# Altium PCB MCU.PcbDoc (part 1 of 3) (continued)
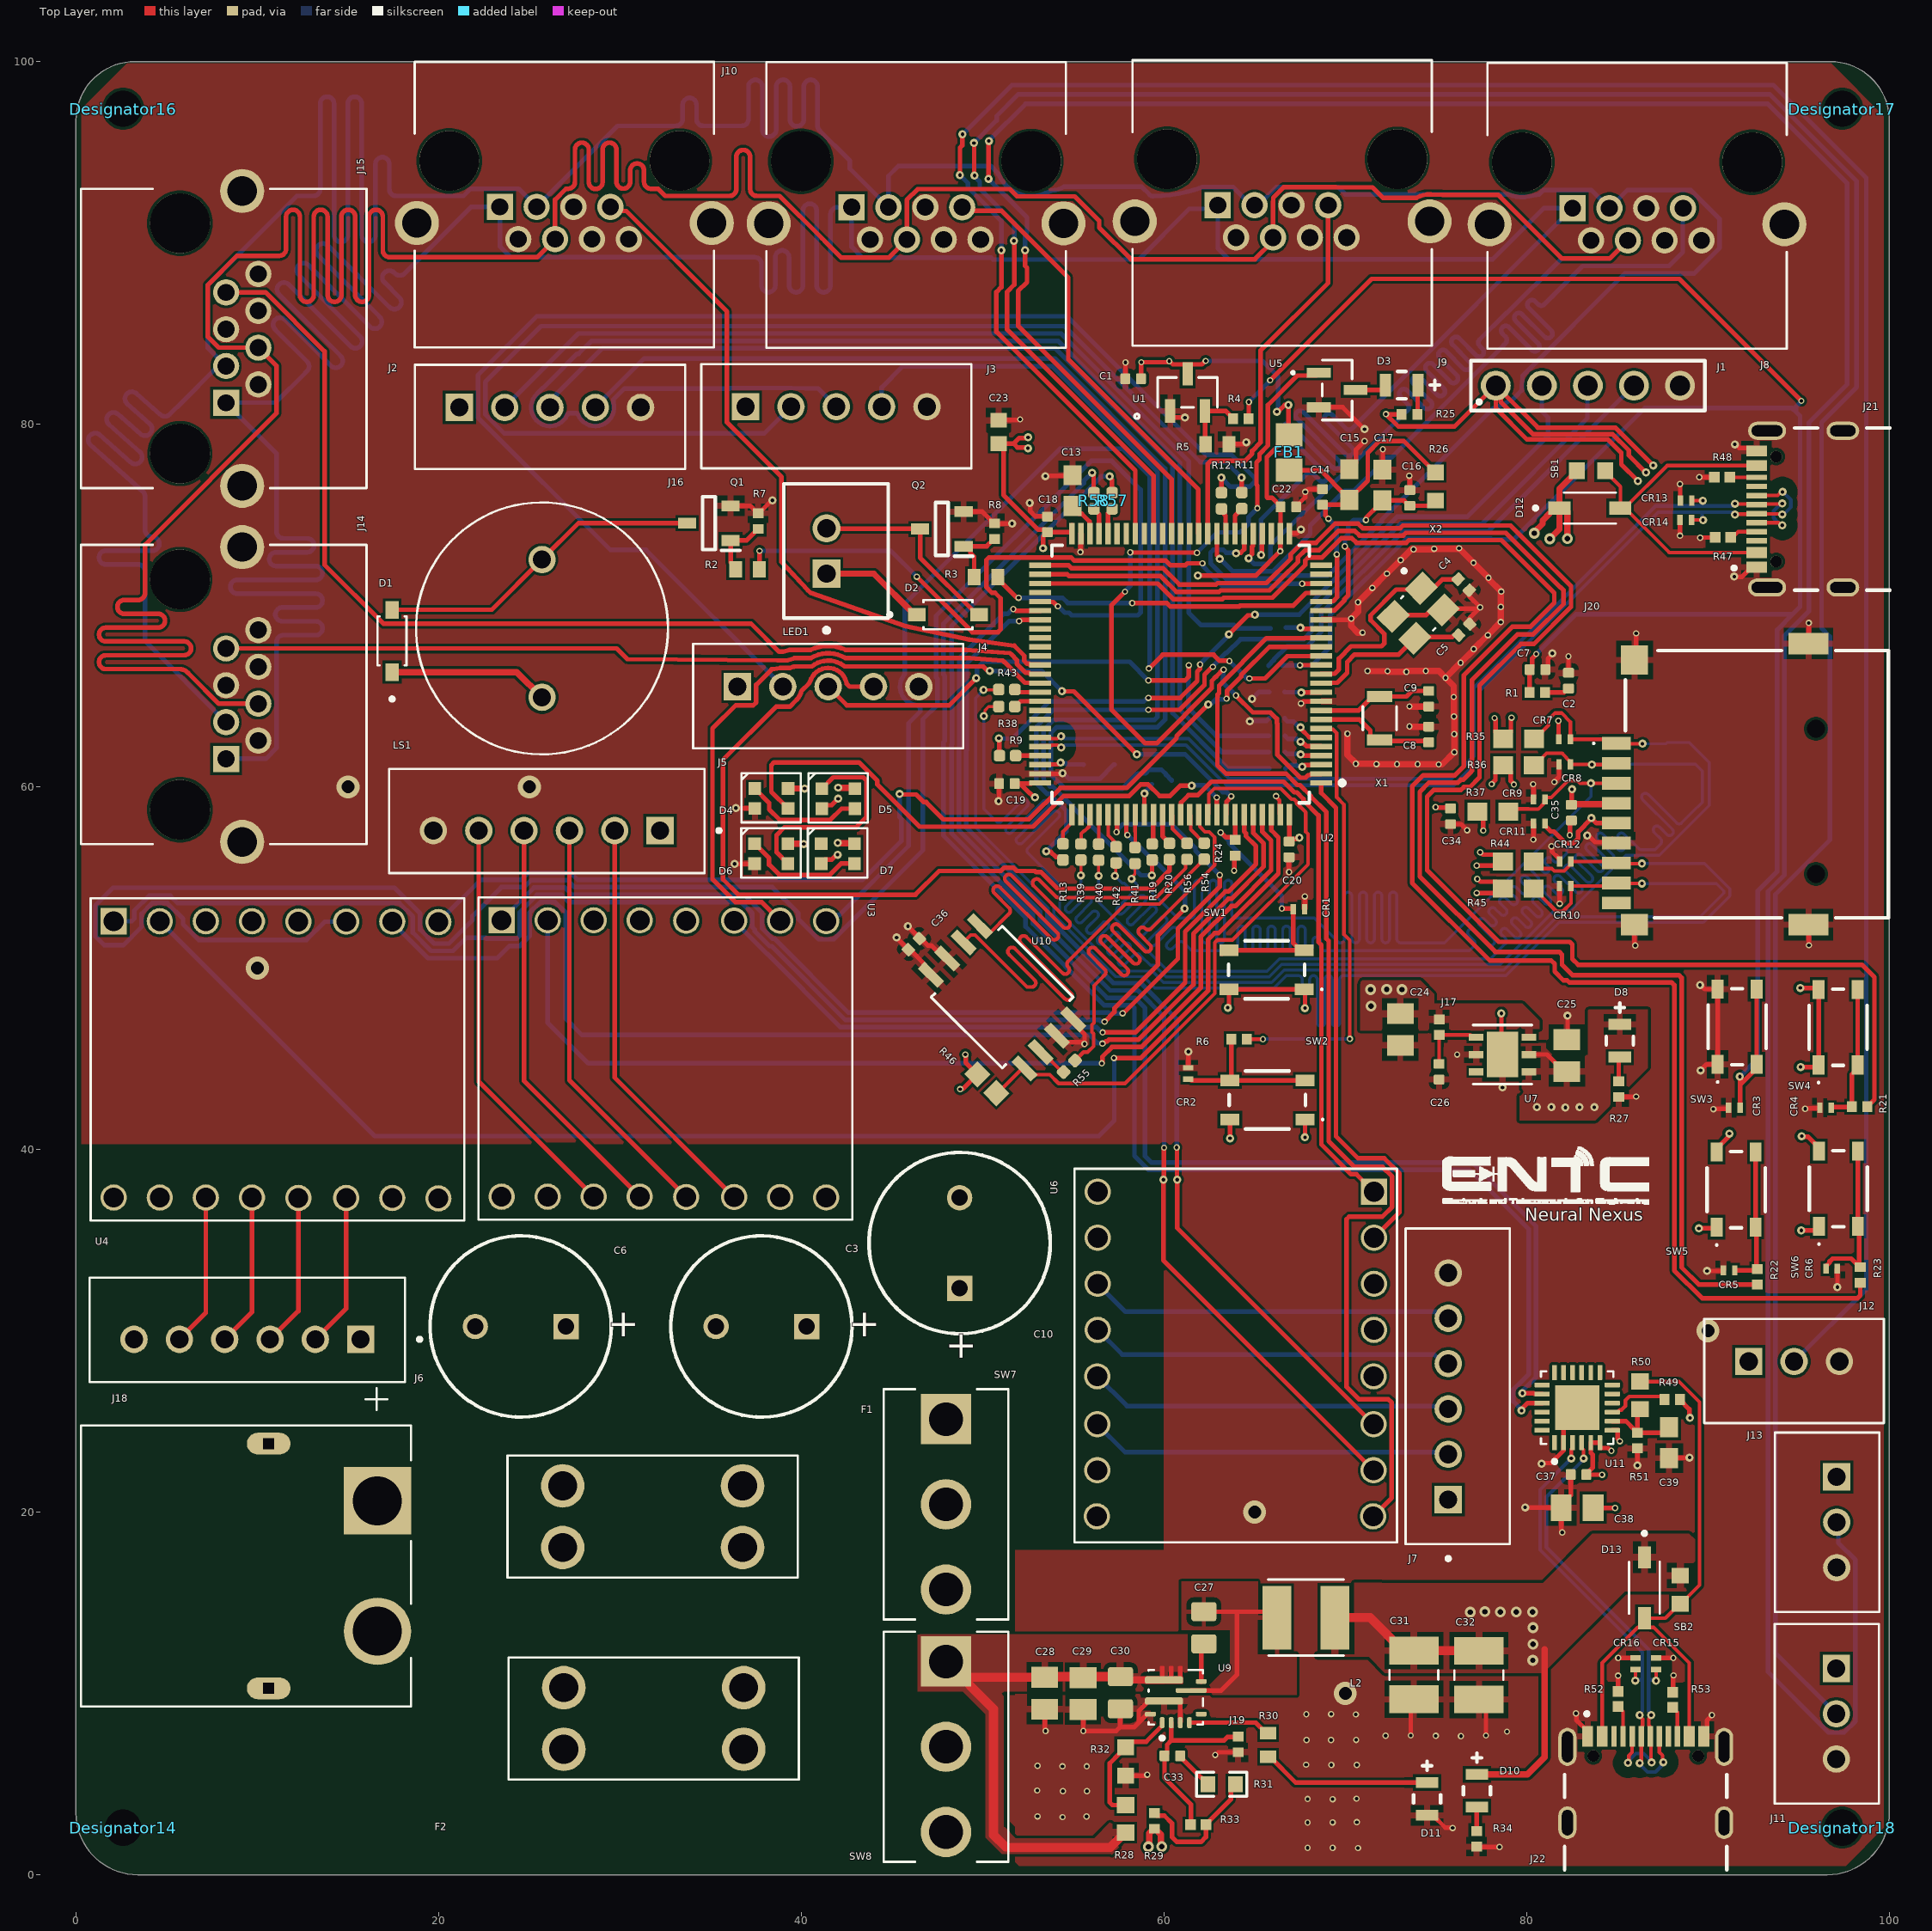
[diagram p0: Top Layer view]
## Components (designator, comment, footprint, x,y, rotation, side; value= is the part's Value field where it differs from the comment) (continued)
R18 "22R 0402" R0402 59.97,60.35 r0 bottom
R19 "22R 0402" R0402 59.35,56.41 r270 top
R20 "22R 0402" R0402 60.3,56.44 r270 top
R21 "330R" RESC1005X40N 98.362,42.37 r180 top
R22 "330R" RESC1005X40N 92.73,32.98 r90 top
R23 "330R" RESC1005X40N 98.4,33.08 r90 top
R24 "10k 0402" RESC1005X40N 63.93,56.64 r90 top
R25 "1.5 kOhm" RESC1005X40N 73.538,80.54 r180 top
R26 "0R" RESC1608X55N 74.98,76.57 r90 top
R27 "330R" RESC1005X40N 85.08,43.328 r90 top
R28 "169k" RESC1508X55N 57.88,3.08 r270 top
R29 "49.9 R" RESC1005X40N 59.47,2.972 r270 top
R30 "100kOhm" RESC1005X40 65.74,7.16 r270 top
R31 "20k" R0603 63.182,4.99 r0 top
R32 "36.1k" RESC1608X55N 57.89,6.25 r90 top
R33 "73.2k" RESC1005X35N 61.89,2.77 r0 top
R34 "1.5 kOhm" RESC1005X40N 77.24,1.98 r90 top
R35 "47 kOhm" RESC1608X55 79.56,62.65 r180 top
R36 "47 kOhm" RESC1608X55 79.55,61.2 r180 top
R37 "47 kOhm" RESC1608X55 78.14,58.64 r180 top
R38 "22R 0402" R0402 51.33,64.43 r0 top
R39 "22R 0402" R0402 55.42,56.41 r270 top
R40 "22R 0402" R0402 56.4,56.4 r270 top
R41 "22R 0402" R0402 58.4,56.21 r270 top
R42 "22R 0402" R0402 57.36,56.25 r270 top
R43 "22R 0402" R0402 51.33,65.37 r180 top
R44 "47 kOhm" RESC1608X55 79.54,55.89 r0 top
R45 "47 kOhm" RESC1608X55 79.54,54.4 r0 top
R46 "100kOhm" RESC1607X60N 50.23,43.63 r135 top
R47 "5.1k" RESC1005X35N 90.83,73.76 r180 top
R48 "5.1k" RESC1005X35N 90.78,77.08 r180 top
R49 "1k" RESC1005X40N 88.032,26.21 r0 top
R50 "22.1k" RESC1508X55N 86.25,26.44 r270 top
R51 "47.5k" RESC1005X40N 86.11,23.948 r90 top
R52 "5.1k" RESC1005X35N 85.05,9.69 r90 top
R53 "5.1k" RESC1005X35N 88.05,9.65 r90 top
R54 "22R 0402" R0402 62.22,56.454 r270 top
R55 "22R 0402" R0402 54.78,44.59 r225 top
R56 "22R 0402" R0402 61.27,56.444 r90 top
R57 "22R 0402" R0402 57.14,75.78 r90 top
R58 "22R 0402" R0402 56.14,75.775 r90 top
SB1 "0R" RESC1608X55N 83.55,77.43 r0 top
SB2 "0R" RESC1608X55N 88.47,15.72 r270 top
SW1 "TS-1089S-02526" SKRPANE010 65.66,49.91 r180 top
SW2 "TS-1089S-02526" SKRPANE010 65.7,42.73 r180 top
SW3 "TS-1089S-02526" SKRPANE010 91.61,46.77 r90 top
SW4 "TS-1089S-02526" SKRPANE010 97.18,46.74 r90 top
SW5 "TS-1089S-02526" SKRPANE010 91.555,37.785 r90 top
SW6 "TS-1089S-02526" SKRPANE010 97.195,37.835 r90 top
SW7 "SW" SW_100SP3T1B1M2QE 47.98,20.43 r270 top
SW8 "SW" SW_100SP3T1B1M2QE 47.98,7.06 r270 top
U1 "MAX809TEUR+T" 21-0051H_MXM 61.3,81.759 r0 top
U2 "STM32H743VIT6" FP-LQFP100-1L-MFG 60.92,66.22 r180 top locked
U3 "TMC2209" TMC2209 23.47,52.64 r270 top
U4 "TMC2209" TMC2209 2.08,52.59 r270 top
U5 "MMUN2211LT1G" SOT-23-3_1P4X3P040_ONS 69.55,81.89 r270 top
U6 "TMC2209" TMC2209 71.581,37.671 r180 top
U7 "ST1L05CPU33R" DFN6_3X3_STM 78.67,45.24 r0 top
U9 "TPS56637RPAR" CONV_TPS56637RPAR 60.65,9.79 r90 top
U10 "W25Q64JVSSIQ" SOIC-8_5P28X5P28_WIN 51.076,48.4 r135 top
U11 "CP2102N-A02-GQFN24R" QFN50P400X400X80-25N 82.79,25.765 r90 top
X1 "32.768KHZ" XTAL_ABS07-32.768KHZ-7-T_ABR 71.9,63.79 r270 top
X2 "25MHZ" XTAL_ABM8G-25.000MHZ-B4Y-T 74.019,69.577 r315 top

## Footprints (in the part's own frame and the unit in brackets; to place one, negate y for a bottom-side part, rotate by r counter-clockwise, add the part's x,y. Pads: shape width x height; smd on the part's side, far side on the other; paste and mask are expansions set on the pad)
"2 MM HOLE" [mm] "Mounting Hole Non plated 2mm"
  round 1 hole 2: ""(0,0)
21-0051H_MXM [mil]
  rect 22.36x50.56 smd paste+0 mask+0: 1(-37.4,-40.5) 2(37.4,-40.5) 3(0,40.5)
  silkscreen extent -115,-57 65,32, body extent -60,-52 60,52, height 44
61300511121 [mm]
  round 1.65 hole 1.1: 1(-5.08,0) 2(-2.54,0) 3(0,0) 4(2.54,0) 5(5.08,0)
  silkscreen extent -6.45,-1.37 6.45,1.37, body extent -6.35,-1.27 6.35,1.27, height 7.27
AMASS_XT60PW-M [mm]
  rect 3.716x3.716 / inner round 3.716 / far side rect 3.716x3.716 hole 2.7 mask+0.102: 1(-3.6,6)
  round 3.716 hole 2.7 mask+0.102: 2(3.6,6)
  oval 1.2x2.4 hole 0.6 square mask+0.102: SH1(-6.75,0) SH2(6.75,0)
  silkscreen extent -9.8,-10.35 7.75,7.85, body extent -7.75,-10.35 7.75,7.85, height 8.4
AMPHENOL_RJHSE5380 [mm]
  rect 1.448x1.448 / inner round 1.448 / far side rect 1.448x1.448 hole 0.94: 1(3.556,2.54)
  round 1.448 hole 0.94: 2(2.54,4.32) 3(1.524,2.54) 4(0.508,4.32) 5(-0.508,2.54) 6(-1.524,4.32) 7(-2.54,2.54) 8(-3.556,4.32)
  round 2.43 hole 1.62: SH1(-8.13,3.43) SH2(8.13,3.43)
  round 3.3 hole 3.3 unplated: ""(-6.35,0) ""(6.35,0)
  silkscreen extent -8.26,-5.46 8.25,10.29, body extent -8.42,-5.46 8.42,10.46, height 15.06
CAP_CC0603_YAG [mil]
  rect 32x35 smd paste+0 mask+0: 1(-25.5,0) 2(25.5,0)
  body extent -34,-17 34,17, height 35
CAPC1005X55N [mm]
  rrect25% 0.54x0.6 smd: 1(-0.432,0) 2(0.432,0)
  body extent -0.5,-0.25 0.5,0.25, height 0.55
CAPC1608X90 [mm]
  rect 1.1x1 smd: 1(-0.85,0) 2(0.85,0)
  body extent -0.8,-0.4 0.8,0.4, height 0.9
CAPC2012X95N [mm]
  rrect25% 1.05x1.38 smd: 1(-0.888,0) 2(0.888,0)
  body extent -1,-0.63 1,0.63, height 0.95
CAPC2012X145N [mm]
  rect 1.15x1.47 smd: 1(-0.88,0) 2(0.88,0)
  body extent -1,-0.63 1,0.63, height 1.45
CAPC3225X270N [mm]
  rect 1.53x2.72 smd: 1(-1.341,0) 2(1.341,0)
  silkscreen extent -0.26,-1.35 0.26,1.35, body extent -1.6,-1.25 1.6,1.25, height 2.7
CAPPR65-500-2000X1000X2200 [mm] "THD, 2-Leads, Dia 10mm, Pin Spacing 5mm"
  rect 1.4x1.4 hole 0.9: 1(-2.5,0)
  round 1.4 hole 0.9: 2(2.5,0)
  silkscreen extent -5,-5 5,5, body extent -5,-5 4.95,5, height 22
CONV_TPS56637RPAR [mm]
  rrect50% 0.6x0.25 smd: 1(-1.4,0.75) 2(-1.4,0.25) 3(-1.4,-0.25) 4(-1.4,-0.75)
  rrect50% 0.25x0.6 smd: 5(-0.93,-1.4) 7(0.87,-1.4) 10(-0.93,1.4)
  rrect50% 0.25x1.7 smd paste-2: 6(0.37,-0.85)
  rrect50% 0.4x2.1 smd paste-2 mask+0: 8(0.95,0.65)
  rrect50% 0.4x2.1 smd paste-2: 9(-0.21,0.65)
  Top Layer region: 273 vertices and 0 holes, not listed, extent 0.75,-0.4 1.711,1.7
  silkscreen extent -2.35,-1.5 1.5,1.5, body extent -1.5,-1.5 1.5,1.5, height 1
DFN6_3X3_STM [mm]
  rect 0.8x0.4 smd paste+0 mask+0: 1(-1.45,0.95) 2(-1.45,0) 3(-1.45,-0.95) 4(1.45,-0.95) 5(1.45,0) 6(1.45,0.95)
  rect 1.75x2.5 smd paste+0 mask+0: 7(0,0)
  silkscreen extent -1.63,-1.63 1.63,1.63, body extent -1.55,-1.5 1.55,1.5, height 0.8
FB_MI0805J102R-10 [mm]
  rect 1.285x1.47 smd: 1(-0.973,0) 2(0.973,0)
  body extent -1,-0.63 1,0.63, height 1.1
FP-B2B-XH-A_LF_SN-MFG [mm]
  rect 1.55x1.55 hole 1 paste-2539.97 mask+0: 1(-1.25,0.525)
  round 1.55 hole 1 paste-2539.97 mask+0: 2(1.25,0.525)
  silkscreen extent -4.5,-2.88 3.7,2.88, body extent -3.8,-2.98 3.8,2.98, height 0.25
FP-LQFP100-1L-MFG [mm]
  rect 1.2x0.3 smd paste+0 mask+0: 1(-7.75,6) 2(-7.75,5.5) 3(-7.75,5) 4(-7.75,4.5) 5(-7.75,4) 6(-7.75,3.5) 7(-7.75,3) 8(-7.75,2.5) 9(-7.75,2) 10(-7.75,1.5) 11(-7.75,1) 12(-7.75,0.5) 13(-7.75,0) 14(-7.75,-0.5) 15(-7.75,-1) 16(-7.75,-1.5) 17(-7.75,-2) 18(-7.75,-2.5) 19(-7.75,-3) 20(-7.75,-3.5) 21(-7.75,-4) 22(-7.75,-4.5) 23(-7.75,-5) 24(-7.75,-5.5) 25(-7.75,-6) 51(7.75,-6) 52(7.75,-5.5) 53(7.75,-5) 54(7.75,-4.5) 55(7.75,-4) 56(7.75,-3.5) 57(7.75,-3) 58(7.75,-2.5) 59(7.75,-2) 60(7.75,-1.5) 61(7.75,-1) 62(7.75,-0.5) 63(7.75,0) 64(7.75,0.5) 65(7.75,1) 66(7.75,1.5) 67(7.75,2) 68(7.75,2.5) 69(7.75,3) 70(7.75,3.5) 71(7.75,4) 72(7.75,4.5) 73(7.75,5) 74(7.75,5.5) 75(7.75,6)
  rect 0.3x1.2 smd paste+0 mask+0: 26(-6,-7.75) 27(-5.5,-7.75) 28(-5,-7.75) 29(-4.5,-7.75) 30(-4,-7.75) 31(-3.5,-7.75) 32(-3,-7.75) 33(-2.5,-7.75) 34(-2,-7.75) 35(-1.5,-7.75) 36(-1,-7.75) 37(-0.5,-7.75) 38(0,-7.75) 39(0.5,-7.75) 40(1,-7.75) 41(1.5,-7.75) 42(2,-7.75) 43(2.5,-7.75) 44(3,-7.75) 45(3.5,-7.75) 46(4,-7.75) 47(4.5,-7.75) 48(5,-7.75) 49(5.5,-7.75) 50(6,-7.75) 76(6,7.75) 77(5.5,7.75) 78(5,7.75) 79(4.5,7.75) 80(4,7.75) 81(3.5,7.75) 82(3,7.75) 83(2.5,7.75) 84(2,7.75) 85(1.5,7.75) 86(1,7.75) 87(0.5,7.75) 88(0,7.75) 89(-0.5,7.75) 90(-1,7.75) 91(-1.5,7.75) 92(-2,7.75) 93(-2.5,7.75) 94(-3,7.75) 95(-3.5,7.75) 96(-4,7.75) 97(-4.5,7.75) 98(-5,7.75) 99(-5.5,7.75) 100(-6,7.75)
  silkscreen extent -9.03,-7.1 7.1,7.1, body extent -8.45,-8.45 8.45,8.45, height 0.25
FP-SML-LX0805SRC-TR-MFG [mm]
  rect 0.6x1.25 smd paste+0 mask+0: 1(-0.9,0) 2(0.9,0)
  silkscreen extent -2.07,-0.75 0.22,0.75, body extent -1.3,-0.85 1.3,0.85, height 0.25
FUSE_3568 [mm]
  round 2.4 hole 1.6: 1(-4.96,1.7) 2(4.96,1.7) 3(-4.96,-1.7) 4(4.96,-1.7)
  silkscreen extent -8,-3.36 8,3.36, body extent -8.04,-3.43 7.96,3.3, height 7.36
GCT_USB4105-GF-A [mm]
  rect 0.6x1.15 smd mask+0.04: A1_B12(-3.2,4.755) B1_A12(3.2,4.755)
  rect 0.6x1.15 smd mask+0.05: A4_B9(-2.4,4.755) B4_A9(2.4,4.755)
  rect 0.3x1.15 smd mask+0.05: A5(-1.25,4.755) A6(-0.25,4.755) A7(0.25,4.755) A8(1.25,4.755) B5(1.75,4.755) B6(0.75,4.755) B7(-0.75,4.755) B8(-1.75,4.755)
  oval 1x2.1 hole 0.6 slot 1.7 at 90 deg: SH1(-4.32,4.18) SH2(4.32,4.18)
  oval 1x1.8 hole 0.6 slot 1.4 at 90 deg: SH3(-4.32,0) SH4(4.32,0)
  round 0.65 hole 0.65 unplated mask+0.03: ""(-2.89,3.68) ""(2.89,3.68)
  silkscreen extent -4.47,-2.6 4.47,6.1, body extent -4.47,-2.57 4.47,5.14, height 3.31
"IND-SMD_L4.0-W4.0 - duplicate" [mm]
  rect 1.6x3.5 smd: 1(-1.6,0) 2(1.6,0)
  silkscreen extent -2.08,-2.1 2.08,2.1, body extent -3.25,-3 3.25,3, height 4.87
JST_B3B-XH-A [mm]
  rect 1.508x1.508 / inner round 1.508 / far side rect 1.508x1.508 hole 1 mask+0.102: 1(2.5,-0.525)
  round 1.508 hole 1 mask+0.102: 2(0,-0.525) 3(-2.5,-0.525)
  silkscreen extent -4.95,-2.88 4.95,2.88, body extent -4.95,-2.88 4.95,2.88, height 7
JST_B5B-XH-A [mm]
  rect 1.508x1.508 / inner round 1.508 / far side rect 1.508x1.508 hole 1: 1(5,-0.525)
  round 1.508 hole 1: 2(2.5,-0.525) 3(0,-0.525) 4(-2.5,-0.525) 5(-5,-0.525)
  silkscreen extent -7.45,-2.88 7.45,2.88, body extent -7.45,-2.88 7.45,2.88, height 7
JST_B6B-XH-A [mm]
  rect 1.508x1.508 / inner round 1.508 / far side rect 1.508x1.508 hole 1: 1(6.25,-0.525)
  round 1.508 hole 1: 2(3.75,-0.525) 3(1.25,-0.525) 4(-1.25,-0.525) 5(-3.75,-0.525) 6(-6.25,-0.525)
  silkscreen extent -8.7,-2.88 9.6,2.88, body extent -8.7,-2.88 8.7,2.88, height 7
QFN50P400X400X80-25N [mm]
  rrect25% 0.84x0.26 smd mask+0.05: 1(-1.935,1.25) 2(-1.935,0.75) 3(-1.935,0.25) 4(-1.935,-0.25) 5(-1.935,-0.75) 6(-1.935,-1.25) 13(1.935,-1.25) 14(1.935,-0.75) 15(1.935,-0.25) 16(1.935,0.25) 17(1.935,0.75) 18(1.935,1.25)
  rrect25% 0.26x0.84 smd mask+0.05: 7(-1.25,-1.935) 8(-0.75,-1.935) 9(-0.25,-1.935) 10(0.25,-1.935) 11(0.75,-1.935) 12(1.25,-1.935) 19(1.25,1.935) 20(0.75,1.935) 21(0.25,1.935) 22(-0.25,1.935) 23(-0.75,1.935) 24(-1.25,1.935)
  rect 2.45x2.45 smd paste-0.455 mask+0.08: 25(0,0)
  silkscreen extent -3.07,-2 2,2
R0402 [mil]
  rrect50% 25x25 smd mask+2.95: 1(-17.5,0) 2(17.5,0)
  body extent -20,-10 20,10, height 16
R0603 [mm]
  rect 0.806x0.864 smd: 1(-0.753,0) 2(0.753,0)
  silkscreen extent -1.39,-0.66 1.39,0.66
RESC1005X35N [mm]
  rect 0.59x0.6 smd mask+0.07: 1(-0.42,0) 2(0.42,0)
  body extent -0.5,-0.25 0.5,0.25, height 0.4
RESC1005X40 [mm]
  rect 0.7x0.9 smd: 1(-0.65,0) 2(0.65,0)
  body extent -0.5,-0.25 0.5,0.25, height 0.4
RESC1005X40N [mm]
  rect 0.54x0.6 smd: 1(-0.432,0) 2(0.432,0)
  body extent -0.5,-0.25 0.5,0.25, height 0.4
RESC1508X55N [mm]
  rect 0.9x0.97 smd: 1(-0.76,0) 2(0.76,0)
  body extent -0.77,-0.4 0.77,0.4, height 0.55
RESC1607X60N [mm]
  rect 1.04x1.02 smd: 1(-0.735,0) 2(0.735,0)
  body extent -0.8,-0.4 0.8,0.4, height 0.55
RESC1608X55 [mm]
  rect 1.1x1 smd: 1(-0.85,0) 2(0.85,0)
  body extent -0.8,-0.4 0.8,0.4, height 0.55
RESC1608X55N [mm]
  rect 0.87x0.93 smd: 1(-0.78,0) 2(0.78,0)
  body extent -0.8,-0.4 0.8,0.4, height 0.55
SKRPANE010 [mm]
  rect 1.05x0.65 smd: 1(-2.075,1.075) 2(2.075,1.075) 3(-2.075,-1.075) 4(2.075,-1.075)
  silkscreen extent -3.1,-1.6 2.1,1.6
SOD3715X145N [mm]
  rect 1.21x0.73 smd: A(1.68,0) C(-1.68,0)
  silkscreen extent -3.1,-0.85 1.43,0.85, body extent -1.83,-0.77 1.83,0.77, height 0.8
SODFL3816X120N [mm]
  rect 0.97x0.73 smd paste+0 mask+0.102: A(1.72,0) C(-1.72,0)
  silkscreen extent -3.3,-0.8 1.35,0.8, body extent -1.9,-0.76 1.9,0.84, height 1.1
SOIC-8_5P28X5P28_WIN [mil]
  rect 60x21 smd paste+0 mask+0: 1(-143.5,75) 2(-143.5,25) 3(-143.5,-25) 4(-143.5,-75) 5(143.5,-75) 6(143.5,-25) 7(143.5,25) 8(143.5,75)
  silkscreen extent -109,-109 109,109, body extent -159,-104 159,104, height 85
SOT96P237X111-3N [mm]
  rect 1x0.6 smd: 1(-1.2,0.955) 2(-1.2,-0.955) 3(1.2,0)
  silkscreen extent -1.7,-1.46 0.35,1.51
SOT-23-3_1P4X3P040_ONS [mil]
  rect 22x52 smd paste+0 mask+0: 1(-37.5,-40) 2(37.5,-40) 3(0,40)
  silkscreen extent -65,-99 65,33, body extent -60,-52 60,52, height 44
SP0402_LTF [mil]
  rect 12x22 smd paste+0 mask-1: 1(-12.5,0) 2(12.5,0)
  body extent -21,-13 21,13, height 22
SW_100SP3T1B1M2QE [mm]
  rect 2.775x2.775 / inner round 2.775 / far side rect 2.775x2.775 hole 1.85 mask+0.102: 1(-4.7,0)
  round 2.775 hole 1.85 mask+0.102: 2(0,0) 3(4.7,0)
  silkscreen extent -6.35,-3.43 6.35,3.43, body extent -6.35,-3.43 6.35,3.43, height 26.26
TF115BCP9 [mm]
  rect 0.7x1.6 smd: 1(2.25,7.75) 2(1.15,7.75) 3(0.05,7.75) 4(-1.05,7.75) 5(-2.15,7.75) 6(-3.25,7.75) 7(-4.35,7.75) 8(-5.45,7.75)
  rect 0.7x1.6 smd mask+0.08: CD1(-6.55,7.75)
  rect 1.2x1.5 smd mask+0.05: G1(-7.75,6.75)
  rect 1.2x2.2 smd: G2(-7.75,-2.85) G3(7.75,-2.85)
  rect 1.6x1.5 smd: G4(6.85,6.75)
  round 0.5 hole 1 unplated: MH1(3.05,-3.25) MH2(-4.95,-3.25)
  silkscreen extent -7.37,-7.25 7.37,9.05
TMC2209 [mm]
  rect 1.45x1.45 / inner round 1.45 / far side rect 1.45x1.45 hole 1.1: 1(0,0)
  round 1.45 hole 1.1: 2(0,2.54) 3(0,5.08) 4(0,7.62) 5(0.021,10.181) 6(0.021,12.823) 7(0.021,15.363) 8(0.047,17.903) 9(15.24,0) 10(15.24,2.54) 11(15.24,5.08) 12(15.24,7.62) 13(15.261,10.181) 14(15.261,12.823) 15(15.261,15.363) 16(15.287,17.903)
  silkscreen extent -1.27,-1.27 16.51,19.34
WS2812C2020 [mm]
  rect 0.7x0.7 smd: 1(0.915,-0.55) 2(0.915,0.55) 3(-0.915,0.55) 4(-0.915,-0.55)
  silkscreen extent -1.63,-1.4 1.65,1.32, body extent -1.1,-1 1.1,1, height 0.84
XDCR_KPEG242-5V [mm]
  round 1.508 hole 1: N(3.8,0) P(-3.8,0)
  silkscreen extent -6.95,-6.95 6.95,6.95, body extent -7.03,-6.94 6.87,6.94, height 7.5
XTAL_ABM8G-25.000MHZ-B4Y-T [mm]
  rect 1.2x1.4 smd: 1(-0.85,1.1) 2(-0.85,-1.1) 3(0.85,-1.1) 4(0.85,1.1)
  silkscreen extent -2.3,-0.08 1.25,1.2, body extent -1.6,-1.24 1.6,1.24, height 0.99
XTAL_ABS07-32.768KHZ-7-T_ABR [mil]
  rect 24x55 smd paste+0 mask+0: 1(-47,0) 2(47,0)
  silkscreen extent -25,-37 25,37, body extent -65,-31 65,31, height 32

## Part data
C1 C2 C7 C11 C14 C16 C18 C19 C20 C21 C22 C26 C35 C36 C37: library part CL05B104KP5NNNC, "0.1 ÂµF Â±10% 10V Ceramic Capacitor X7R 0402 (1005 Metric)", Package="SMD-2 Samsung", Check_prices=https://www.snapeda.com/parts/CL05B104KP5NNNC/Samsung/view-part/?ref=eda, MF="Samsung Electro-Mechanics", MP=CL05B104KP5NNNC, SnapEDA_Link=https://www.snapeda.com/parts/CL05B104KP5NNNC/Samsung/view-part/?ref=snap
C3 C6 C10: library part CMP-001-00032-8, "Aluminum Electrolytic Capacitor, 470 uF, +/- 20%, 50 V, -40 to 85 degC, 2-Pin THD, RoHS, Bulk", Capacitor Type=Electrolytic, Case/Package=Radial, Manufacturer=Panasonic, Max Operating Temperature=85°C, Min Operating Temperature=-40°C, Package Description="2-Pin Radial Lead, Dia 10 mm, Height 22 mm", Package Quantity=200, Package Reference=CAPPR65-500-2000X1000X2200, Ripple Current=650mA, Tolerance=20%, Voltage Rating=50V, Datasheet URL=http://industrial.panasonic.com/cdbs/www-data/pdf/RDF0000/ABA0000C1047.pdf, Datasheet Version=Mar-16, Diameter=10mm, Lead Pitch=5mm, Manufacturer URL=http://www.panasonic.com/, Mounting Technology=TH, Packaging=Bulk, Pins=2, Ripple Current (AC)=650mA, RoHS Compliant=True
C4 C5: library part CC0402JRNPO8BN100, "10 pF Â±5% 25V Ceramic Capacitor C0G, NP0 0402 (1005 Metric)", Package="0402 Yageo", Check_prices=https://www.snapeda.com/parts/CC0402JRNPO8BN100/Yageo/view-part/?ref=eda, MF=Yageo, MP=CC0402JRNPO8BN100, SnapEDA_Link=https://www.snapeda.com/parts/CC0402JRNPO8BN100/Yageo/view-part/?ref=snap
C8 C9: library part GRM1555C1H120FA01D, "0402 12 pF 50 V Â±1% Tolerance C0G SMT Multilayer Ceramic Capacitor", Package=None, Availability=Unavailable, MP=GRM1555C1H120FA01D, Price=None
C12 C13: library part CC0603KRX5R8BB225, "2.2 ÂµF Â±10% 25V Ceramic Capacitor X5R 0603 (1608 Metric)", Package="0603 Yageo", Check_prices=https://www.snapeda.com/parts/CC0603KRX5R8BB225/Yageo/view-part/?ref=eda, MF=Yageo, MP=CC0603KRX5R8BB225, SnapEDA_Link=https://www.snapeda.com/parts/CC0603KRX5R8BB225/Yageo/view-part/?ref=snap
C15 C17 C39: library part CC0603ZRY5V7BB105, "1 ÂµF -20%, +80% 16V Ceramic Capacitor Y5V (F) 0603 (1608 Metric)", Package="0603 Yageo", Check_prices=https://www.snapeda.com/parts/CC0603ZRY5V7BB105/Yageo/view-part/?ref=eda, MF=Yageo, MP=CC0603ZRY5V7BB105, SnapEDA_Link=https://www.snapeda.com/parts/CC0603ZRY5V7BB105/Yageo/view-part/?ref=snap
C23: library part CC0603MRX7R5BB475, "No Description Available", Manufacturer_Name=Yageo, Copyright="Copyright (C) 2026 Ultra Librarian. All rights reserved.", Manufacturer_Part_Number=CC0603MRX7R5BB475
C24 C25 C38: library part C2012X7R1A475K125AC, "C Series 0805 4.7 uF 10 V Â±10% Tolerance X7R SMT Multilayer Ceramic Capacitor", Package="2012 TDK", Availability="In Stock", Check_prices=https://www.snapeda.com/parts/C2012X7R1A475K125AC/TDK-Lambda+Americas+Inc/view-part/?ref=eda, MF=TDK, MP=C2012X7R1A475K125AC, Price=None, Purchase-URL=https://pricing.snapeda.com/search/part/C2012X7R1A475K125AC/?ref=eda, SnapEDA_Link=https://www.snapeda.com/parts/C2012X7R1A475K125AC/TDK-Lambda+Americas+Inc/view-part/?ref=snap
C27 C30: library part CL21B104KBCNNNC, "0.1 ÂµF Â±10% 50V Ceramic Capacitor X7R 0805 (2012 Metric)", Package="SMD-2 Samsung", Check_prices=https://www.snapeda.com/parts/CL21B104KBCNNNC/Samsung/view-part/?ref=eda, MF="Samsung Electro-Mechanics", MP=CL21B104KBCNNNC, SnapEDA_Link=https://www.snapeda.com/parts/CL21B104KBCNNNC/Samsung/view-part/?ref=snap